# Altium PCB tesis.PcbDoc (part 1 of 3)
Units mil, origin at the board's own origin, x right, y up, seen from the top; angles counter-clockwise.
Board outline 5873 x 4555 mil, 2 copper layers (Top Layer, Bottom Layer); 272 components, 151 nets, 815 pads, 292 vias.
Unrouted connection lines stored in the file: 224.
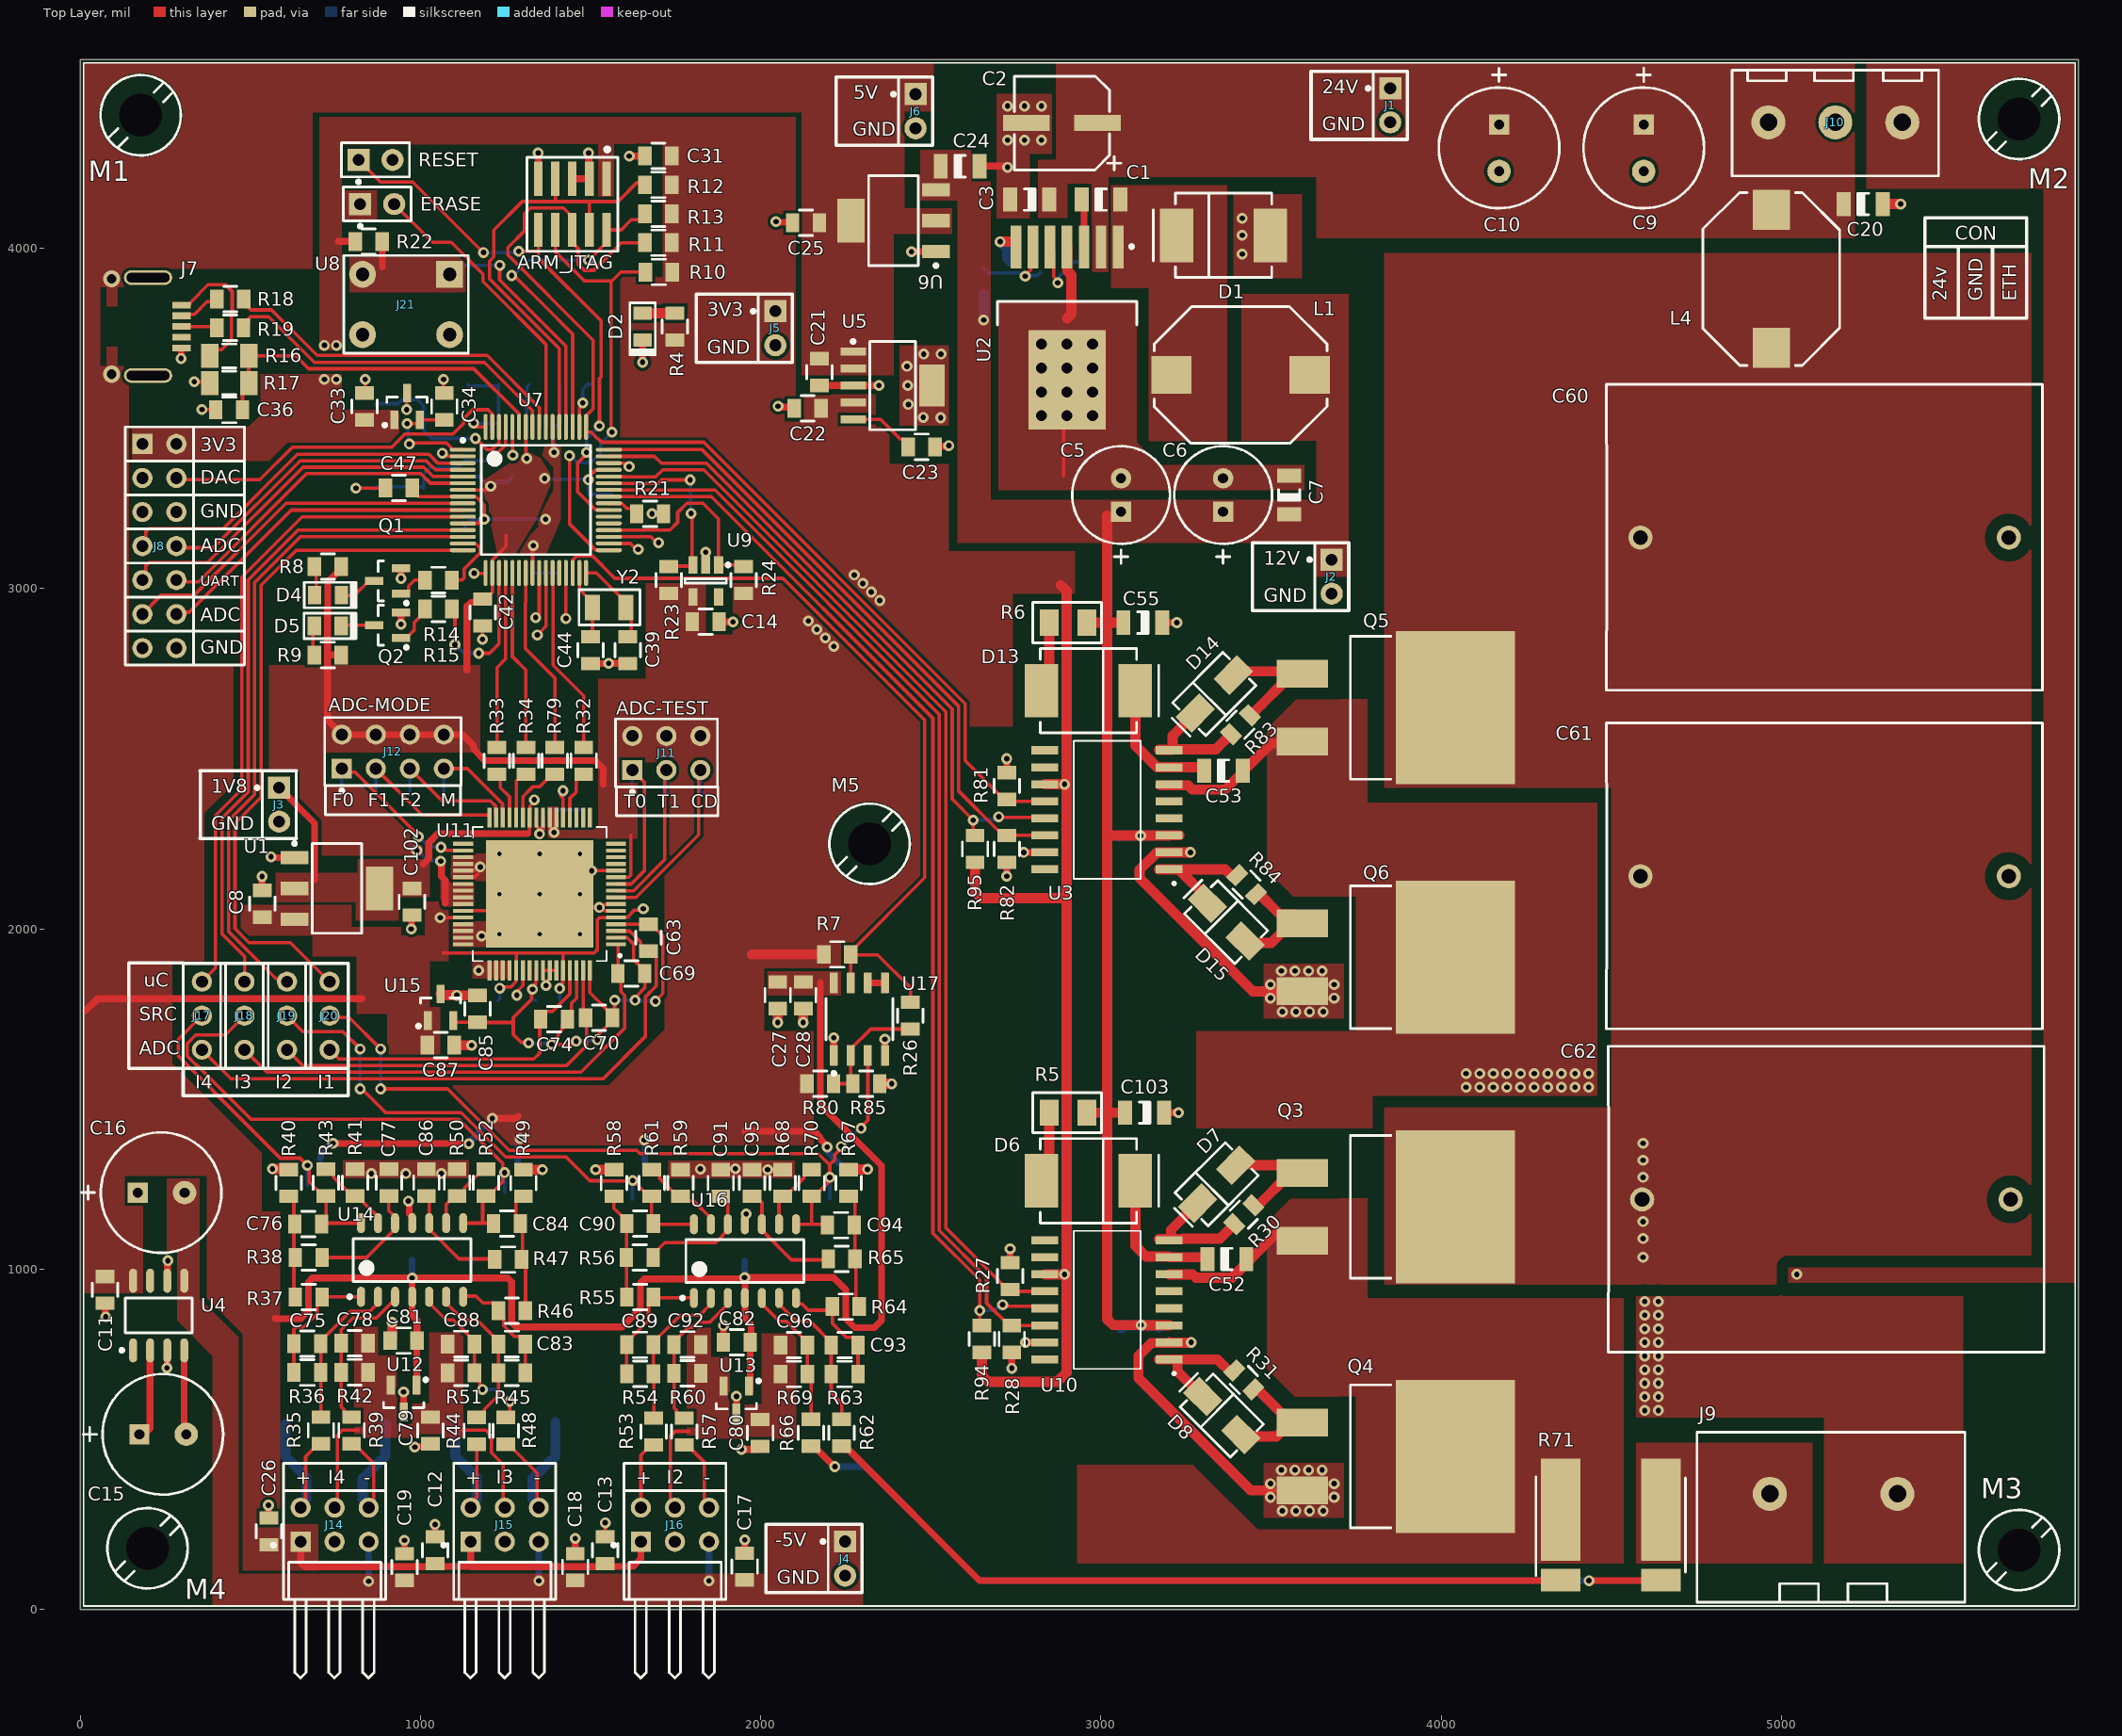
[diagram p0: Top Layer view]
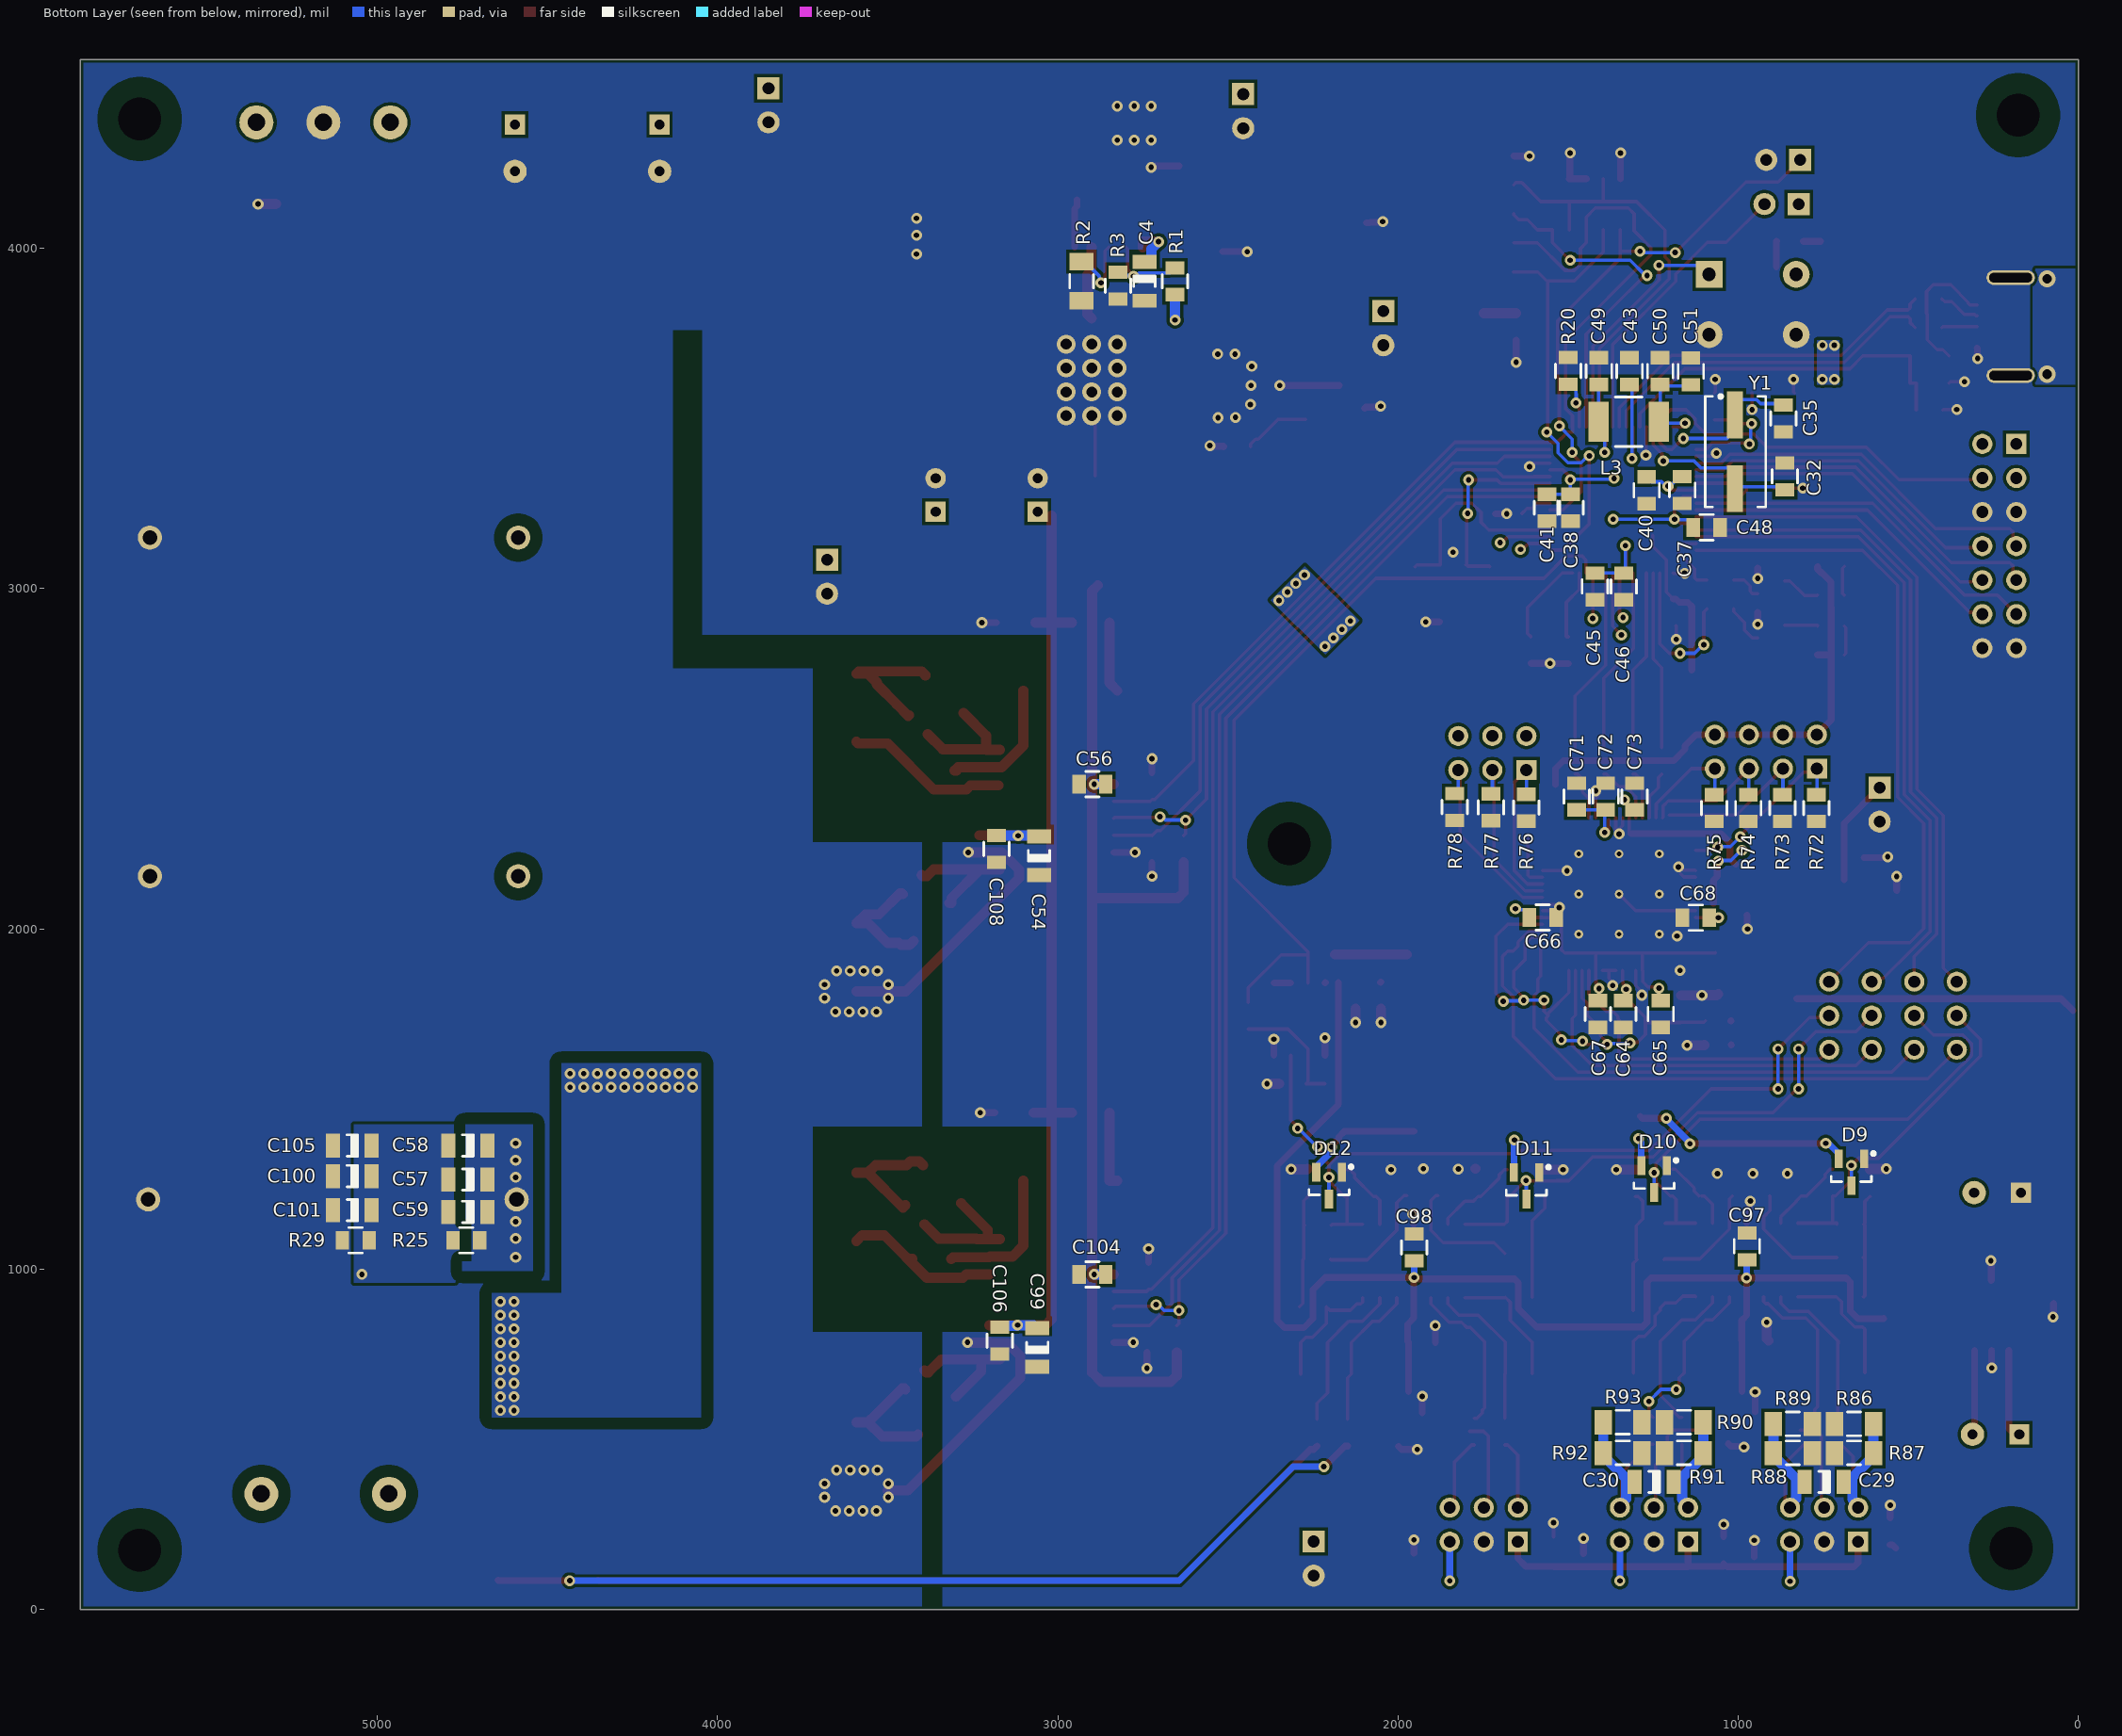
[diagram p1: Bottom Layer view, seen from below]
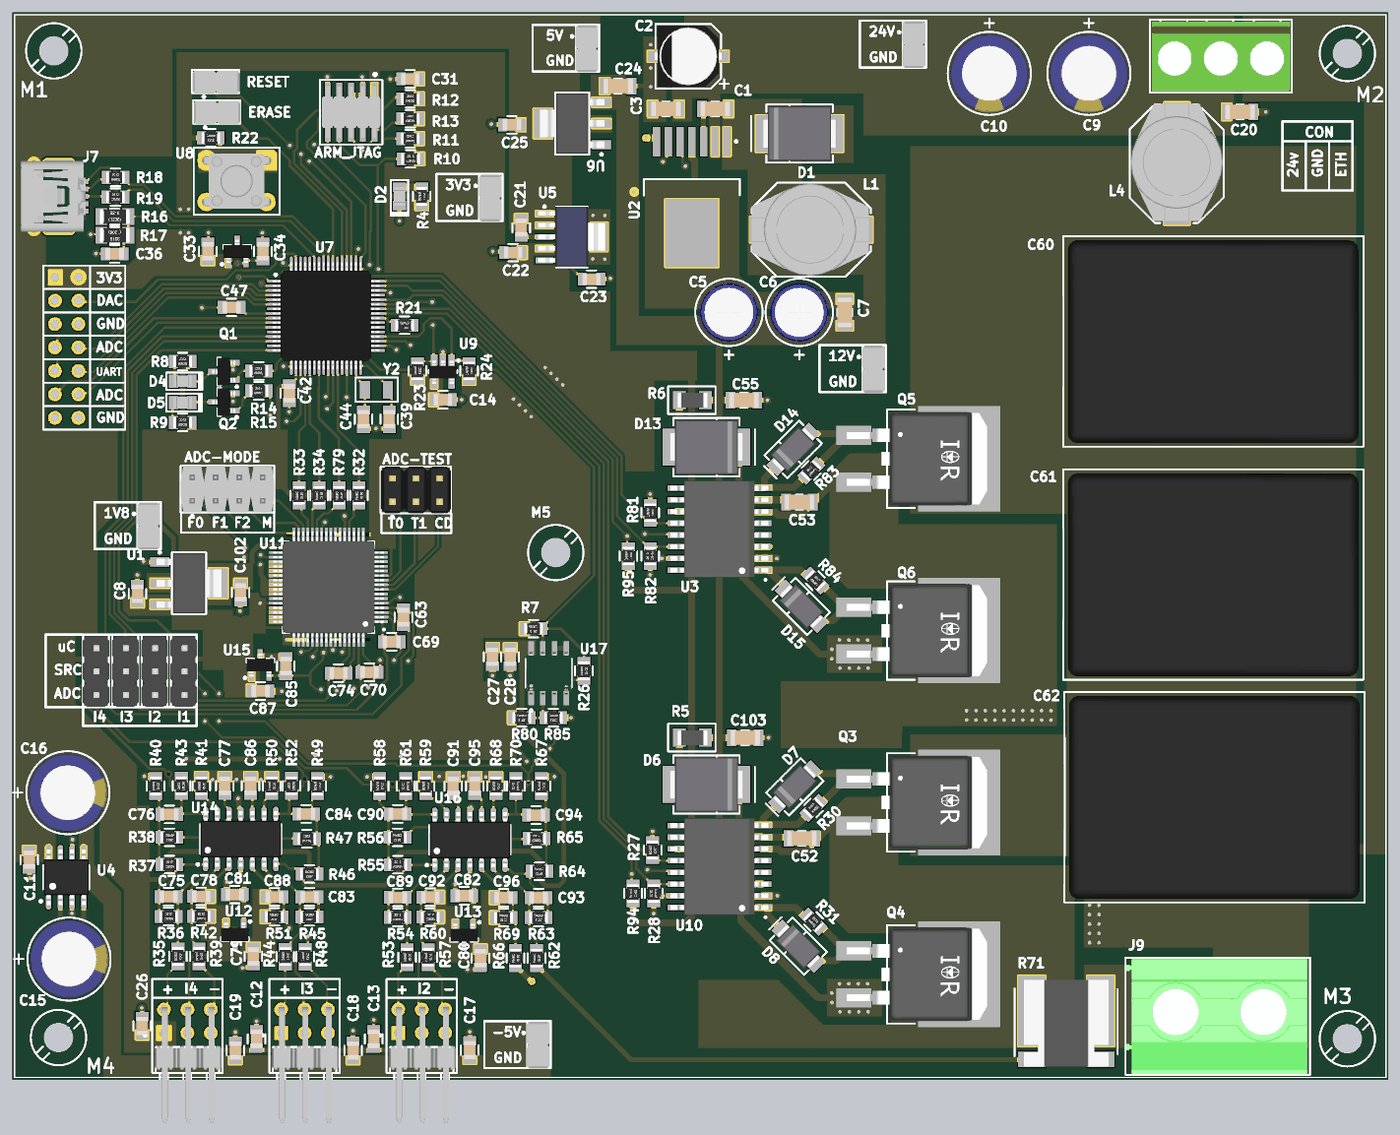
[diagram p4: 3D render of the assembled board from above, using the file's embedded part models]
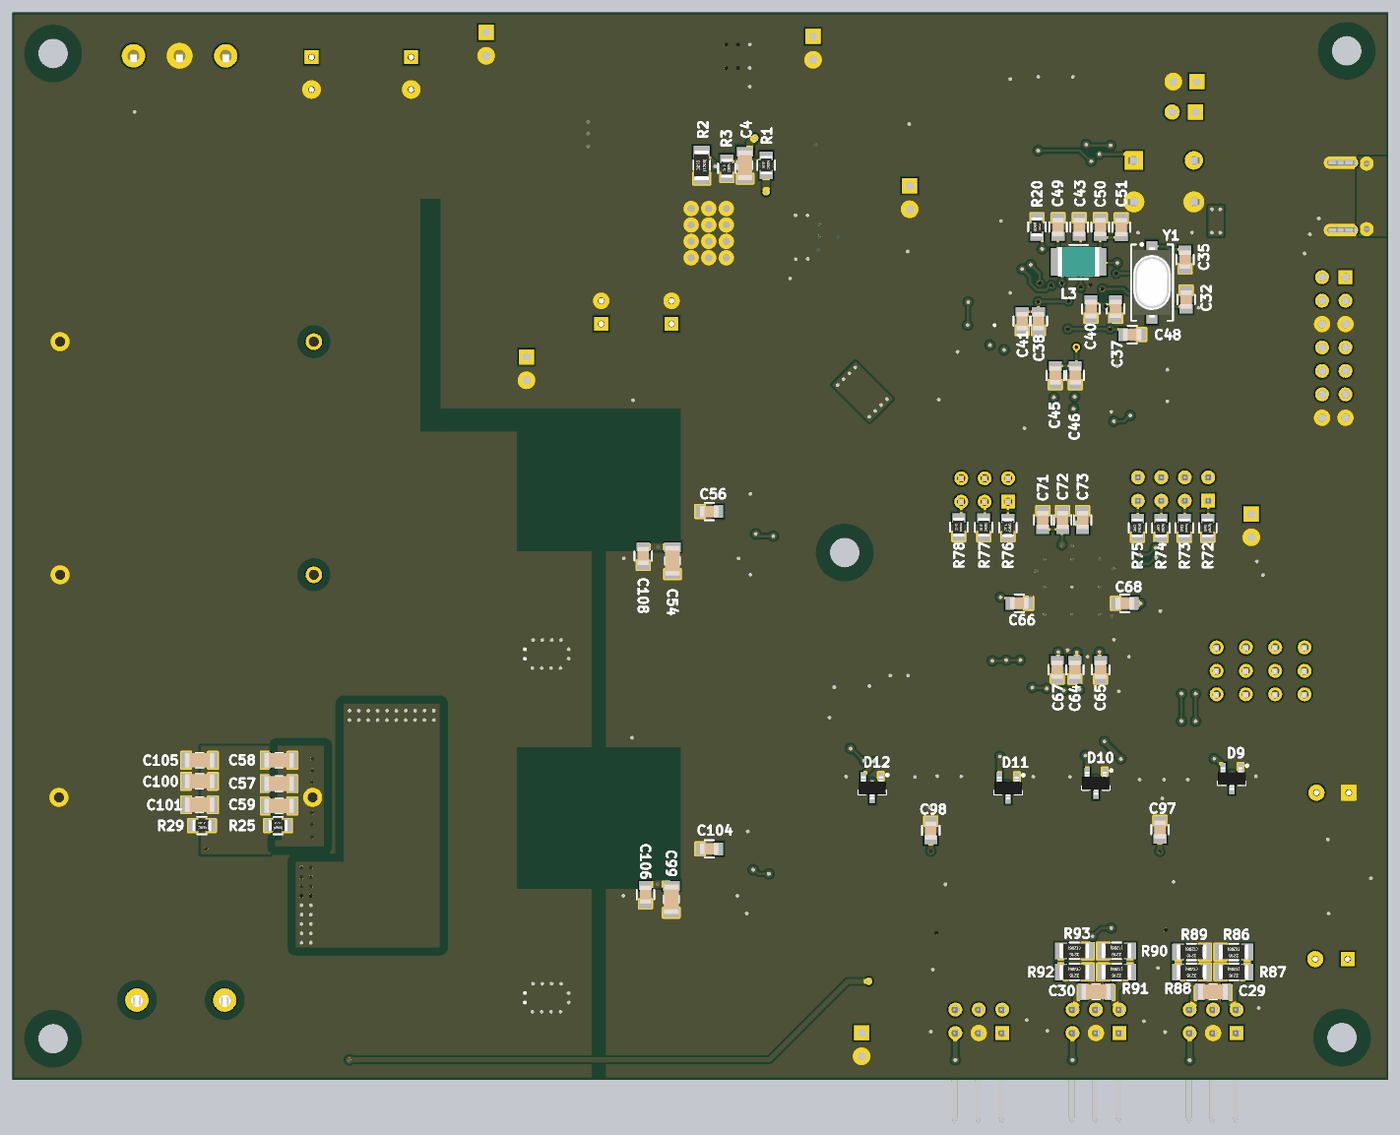
[diagram p5: 3D render of the assembled board from below, using the file's embedded part models]

## Layer stack, top to bottom
Top Solder: solder mask 0.4, Solder Resist, Dk 3.5
Top Layer: signal copper 1.4
Dielectric 1: dielectric 12.6, FR-4, Dk 4.8
Bottom Layer: signal copper 1.4
Bottom Solder: solder mask 0.4, Solder Resist, Dk 3.5

## Board outline
0,4555 0,0 5873,0 5873,4555

## Design rules (kind name [scope] priority, off if disabled: settings)
Clearance Clearance_HV_COMP [InComponentClass('HV')] p1: gap=35 ignorepadtopadclearanceinfootprint=FALSE
Clearance Clearance_HV [InNetClass('HV') vs Not InNet('I_SHUNT+')] p2: gap=35 ignorepadtopadclearanceinfootprint=TRUE except(5: Arc-Arc Arc-Track Arc-SMDPad Track-Track Track-SMDPad)
Clearance Clearance_SCREW [InPadClass('Screw')] p3: gap=60 ignorepadtopadclearanceinfootprint=FALSE
Clearance Clearance_ARM/ADC [InComponent('U7') OR InComponent('U11')] p4: gap=7 ignorepadtopadclearanceinfootprint=TRUE
Clearance [All] p5: gap=9 ignorepadtopadclearanceinfootprint=FALSE
DiffPairsRouting [All] p1: maxlimit=10 minlimit=10 mostfreqgap=10 toplayer_minwidth=10 toplayer_maxwidth=15 toplayer_prefwidth=15 bottomlayer_minwidth=10 bottomlayer_maxwidth=15 bottomlayer_prefwidth=15 maxuncoupledlength=500
Height [All] p1: minheight=0 maxheight=5000 prefheight=500
HoleSize [All] p1: absolutevalues=TRUE maxlimit=1000 minlimit=1 maxpercent=80.000 minpercent=20.000
MinimumSolderMaskSliver [All] p1: minsoldermaskwidth=0
PlaneConnect [All] p1: planeconnectstyle=Direct reliefexpansion=20 reliefentries=4 reliefconductorwidth=10 reliefairgap=10
PolygonConnect [All] p1: connectstyle=Direct reliefconductorwidth=10 reliefentries=4 polygonreliefangle="90 Angle" airgapwidth=10
RoutingVias [All] p1: holewidth=16 width=32 viastyle="Through Hole" minholewidth=16 minwidth=32 maxholewidth=32 maxwidth=55
SilkToSilkClearance [All] p1: silktosilkclearance=0
SilkToSolderMaskClearance [IsPad] p1: minsilkscreentomaskgap=0 clearancetoexposedcopper=TRUE
SolderMaskExpansion [All] p1: expansion=5
Width [All] p1: maxlimit=60 minlimit=10 preferedwidth=10
23 further rules are at their usual default settings.

## Classes and differential pairs
component class HV: C60 C61 C62 J9 L4 Q4 Q5 Q6
net class HV: +24v_mosfet DRV1_MID DRV2_MID
pad class Screw: M1-1 M2-1 M3-1 M4-1 M5-1
differential pair USB_DD: +USB_DD_P -USB_DD_N

## Components (designator, comment, footprint, x,y, rotation, side; value= is the part's Value field where it differs from the comment)
ARM_JTAG "CON_20021121-00010C4LF_FCI" FCI_20021121-00010C4LF 1446.59,4129.18 r270 top value=20021121-00010C4LF
C1 "CAP_C3216X7R2J103K115AA_TDK" CAPC3216X135N_B 3000.24,4143 r0 top value=10nF
C2 "CAP_EEE-1HA470XP_PANASONIC" CAPAE630770X770N 2885.24,4368 r0 top value=47uF
C3 "CAP_C3216X7R1E105M085AA_TDK" CAPC3216X135N_B 2790.24,4143 r180 top value=1uF
C4 "CAP_C3216X7R1E105M085AA_TDK" CAPC3216X135N_B 2745.24,3903 r270 bottom value=1uF
C5 "CAP_ELXY250ELL121MF15D_UC" CAPPRD250W50D630H1250 3059,3275 r0 top value=120uF
C6 "CAP_ELXY250ELL121MF15D_UC" CAPPRD250W50D630H1250 3359,3275 r0 top value=120uF
C7 "CAP_C3216X7R1E105M085AA_TDK" CAPC3216X135N_B 3553,3275 r90 top value=1uF
C8 "CAP_CL21A106KOCL3RC" CAPC2013X110N 535,2074 r90 top value=10µF
C9 "CAP_ESY107M050AG3AA_KEMET" CAPPRD350W60D800H1200 4595,4295 r180 top value=100uF
C10 "CAP_ESY107M050AG3AA_KEMET" CAPPRD350W60D800H1200 4170,4295 r180 top value=100uF
C11 "CAP_CC0805KRX7R8BB104_YAGEO" CAPC2013X110N 73,939.37 r270 top value=0.1µF
C12 "CAP_CC0805KRX7R8BB104_YAGEO" CAPC2013X110N 1043,174.44 r90 top value=0.1µF
C13 "CAP_CC0805KRX7R8BB104_YAGEO" CAPC2013X110N 1543,174.44 r90 top value=0.1µF
C14 "CAP_CC0805KRX7R8BB104_YAGEO" CAPC2013X110N 1838.42,2902.35 r180 top value=0.1
C15 "CAP_   ESY107M050AG3AA_KEMET" CAPPRD350W60D800H1200 243,515 r270 top value=100uF
C16 "CAP_   ESY107M050AG3AA_KEMET" CAPPRD350W60D800H1200 238,1225 r270 top value=100uF
C17 "CAP_CC0805KRX7R8BB104_YAGEO" CAPC2013X110N 1953,126.31 r90 top value=0.1µF
C18 "CAP_CC0805KRX7R8BB104_YAGEO" CAPC2013X110N 1455,125 r90 top value=0.1µF
C19 "CAP_CC0805KRX7R8BB104_YAGEO" CAPC2013X110N 953,125 r90 top value=0.1µF
C20 "" CAPC3216X135N_B 5240,4130 r0 top value=1uF
C21 "CAP_CL21A106KOCL3RC" CAPC2013X110N 2172.8,3636.05 r270 top value=10µF
C22 "CAP_CC0805KKX5R8BB475_YAGEO_1" CAPC2013X110N 2138,3530 r180 top value=4.7uF
C23 "CAP_CC0805KRX7R8BB104_YAGEO" CAPC2013X110N 2472.8,3416.68 r0 top value=0.1µF
C24 "CAP_GRT31CR61H106ME01L" CAPC3216X135N_B 2586,4241 r0 top value=10uF
C25 "CAP_CL21A106KOCL3RC" CAPC2013X110N 2133,4075 r180 top value=10µF
C26 "CAP_CC0805KRX7R8BB104_YAGEO" CAPC2013X110N 555,230 r90 top value=0.1µF
C27 "CAP_CL21A106KOCL3RC" CAPC2013X110N 2050,1805 r90 top value=10µF
C28 "CAP_CC0805KRX7R8BB104_YAGEO" CAPC2013X110N 2125,1805 r90 top value=0.1µF
C29 "CAP_CC1206KKX7R7BB225_YAGEO" CAPC3216X135N_B 748,375 r0 bottom value=2.2uF
C30 "CAP_CC1206KKX7R7BB225_YAGEO" CAPC3216X135N_B 1247.67,375.01 r0 bottom value=2.2uF
C31 "CAP_CC0805KRX7R8BB104_YAGEO" CAPC2013X110N 1699.16,4271.26 r180 top value=0.1
C32 "CAP_C0805X150J5GACTU_KEMET" CAPC2013X110N 863,3330 r90 bottom value=15pF
C33 "CAP_CC0805KKX7R7BB105_YAGEO" CAPC2013X110N 835.4,3535.32 r90 top value=1uF
C34 "CAP_CC0805KKX7R7BB105_YAGEO" CAPC2013X110N 1070.4,3535.32 r90 top value=1uF
C35 "CAP_C0805X150J5GACTU_KEMET" CAPC2013X110N 868,3500 r90 bottom value=15pF
C36 "CAP_CC0805KRX7R8BB104_YAGEO" CAPC2013X110N 438,3525 r0 top value=0.1µF
C37 "CAP_CL21A106KOCL3RC" CAPC2013X110N 1164.6,3289.63 r90 bottom value=10µF
C38 "CAP_CL21A106KOCL3RC" CAPC2013X110N 1493.6,3237.63 r90 bottom value=10µF
C39 "CAP_C0805X150J5GACTU_KEMET" CAPC2013X110N 1609.6,2819 r270 top value=15pF
C40 "CAP_CC0805KRX7R8BB104_YAGEO" CAPC2013X110N 1269.6,3289 r90 bottom value=0.1µF
C41 "CAP_CC0805KRX7R8BB104_YAGEO" CAPC2013X110N 1562.6,3237.63 r90 bottom value=0.1µF
C42 "CAP_CC0805KRX7R8BB104_YAGEO" CAPC2013X110N 1183,2930 r90 top value=0.1µF
C43 "CAP_CC0805KRX7R8BB104_YAGEO" CAPC2013X110N 1319.6,3639 r270 bottom value=0.1µF
C44 "CAP_C0805X150J5GACTU_KEMET" CAPC2013X110N 1499.6,2819 r270 top value=15pF
C45 "CAP_CL21A106KOCL3RC" CAPC2013X110N 1421.59,3006.18 r90 bottom value=10µF
C46 "CAP_CC0805KRX7R8BB104_YAGEO" CAPC2013X110N 1336.59,3006.18 r270 bottom value=0.1µF
C47 "CAP_CC0805KRX7R8BB104_YAGEO" CAPC2013X110N 936.59,3296.18 r180 top value=0.1µF
C48 "CAP_CC0805KRX7R8BB104_YAGEO" CAPC2013X110N 1093,3180 r180 bottom value=0.1µF
C49 "CAP_CC0805KRX7R8BB104_YAGEO" CAPC2013X110N 1409.6,3639 r90 bottom value=0.1µF
C50 "CAP_CC0805KRX7R8BB104_YAGEO" CAPC2013X110N 1229.6,3639 r270 bottom value=0.1µF
C51 "CAP_CL21A106KOCL3RC" CAPC2013X110N 1139.6,3638.37 r90 bottom value=10µF
C52 "CAP_GRM31CR71H475KA12L" CAPC3216X135N_B 3370,1030 r0 top value=4.7uF
C53 "CAP_GRM31CR71H475KA12L" CAPC3216X135N_B 3360,2465 r0 top value=4.7uF
C54 "CAP_GRM31CR61E476ME44L" CAPC3216X135N_B 3055,2215 r90 bottom
C55 "CAP_GRM31CR61E476ME44L" CAPC3216X135N_B 3123,2900 r180 top
C56 "CAP_CC0805KRX7R8BB104_YAGEO" CAPC2013X110N 2898,2425 r0 bottom value=0.1µF
C57 "CAP_GRT31CR61H106ME01L" CAPC3216X135N_B 4733.75,1263.5 r0 bottom value=10uF
C58 "CAP_GRT31CR61H106ME01L" CAPC3216X135N_B 4733.75,1363.5 r0 bottom value=10uF
C59 "CAP_GRT31CR61H106ME01L" CAPC3216X135N_B 4733.75,1168.5 r0 bottom value=10uF
C60 "CAP_B32754C2106K000" C180H110 4585.32,3150 r0 top
C61 "CAP_B32754C2106K000" C180H110 4585.32,2155 r0 top
C62 "CAP_B32754C2106K000" C180H110 4590.32,1205 r0 top
C63 "CAP_C0805C222K5RACTU" CAPC2013X110N 1670,1974 r270 top value=2.2nF
C64 "CAP_CC0805KKX7R7BB105_YAGEO" CAPC2013X110N 1338,1750 r270 bottom value=1uF
C65 "CAP_CL21A106KOCL3RC" CAPC2013X110N 1228,1750 r270 bottom value=10µF
C66 "CAP_CL21A106KOCL3RC" CAPC2013X110N 1574.91,2033.53 r0 bottom value=10µF
C67 "CAP_CL21A106KOCL3RC" CAPC2013X110N 1413,1750 r90 bottom value=10µF
C68 "CAP_CL21A106KOCL3RC" CAPC2013X110N 1124.91,2033.02 r180 bottom value=10µF
C69 "CAP_C0805C222K5RACTU" CAPC2013X110N 1620,1869 r180 top value=2.2nF
C70 "CAP_C0805C222K5RACTU" CAPC2013X110N 1525,1739 r180 top value=2.2nF
C71 "CAP_CL21A106KOCL3RC" CAPC2013X110N 1475,2389 r270 bottom value=10µF
C72 "CAP_CL21A106KOCL3RC" CAPC2013X110N 1390,2389 r270 bottom value=10µF
C73 "CAP_CL21A106KOCL3RC" CAPC2013X110N 1305,2389 r270 bottom value=10µF
C74 "CAP_C0805C222K5RACTU" CAPC2013X110N 1393,1735 r180 top value=2.2nF
C75 "CAP_GRM2195C1H103FA01D_MURATA" CAPC2013X110N 667.66,781.31 r180 top value=10nF
C76 "CAP_GRM2195C1H103FA01D_MURATA" CAPC2013X110N 670.65,1132.44 r0 top value=10nF
C77 "CAP_GRM2195C1H103FA01D_MURATA" CAPC2013X110N 907.66,1254.31 r270 top value=10nF
C78 "CAP_GRM2195C1H103FA01D_MURATA" CAPC2013X110N 806.66,782.31 r180 top value=10nF
C79 "CAP_GRM2195C1H103FA01D_MURATA" CAPC2013X110N 1029.66,526.31 r270 top value=10nF
C80 "CAP_GRM2195C1H103FA01D_MURATA" CAPC2013X110N 1998.66,518.94 r270 top value=10nF
C81 "CAP_CC0805KKX7R7BB105_YAGEO" CAPC2013X110N 950.66,790.31 r180 top value=1uF
C82 "CAP_CC0805KKX7R7BB105_YAGEO" CAPC2013X110N 1930,785 r180 top value=1uF
C83 "CAP_GRM2195C1H103FA01D_MURATA" CAPC2013X110N 1268.66,780.31 r0 top value=10nF
C84 "CAP_GRM2195C1H103FA01D_MURATA" CAPC2013X110N 1254.65,1134.44 r180 top value=10nF
C85 "CAP_GRM2195C1H103FA01D_MURATA" CAPC2013X110N 1167.91,1765.17 r90 top value=10nF
C86 "CAP_GRM2195C1H103FA01D_MURATA" CAPC2013X110N 1017.66,1254.31 r270 top value=10nF
C87 "CAP_CC0805KKX7R7BB105_YAGEO" CAPC2013X110N 1060,1659 r0 top value=1uF